# Altium PCB Tfinal3.PcbDoc (part 1 of 2)
Units mm, origin at the board's own origin, x right, y up, seen from the top; angles counter-clockwise.
Board outline 89.38 x 70.23 mm, 2 copper layers (Top Layer, Bottom Layer), stack 1.671 mm thick; 167 components, 142 nets, 545 pads, 132 vias.
Unrouted connection lines stored in the file: 102.
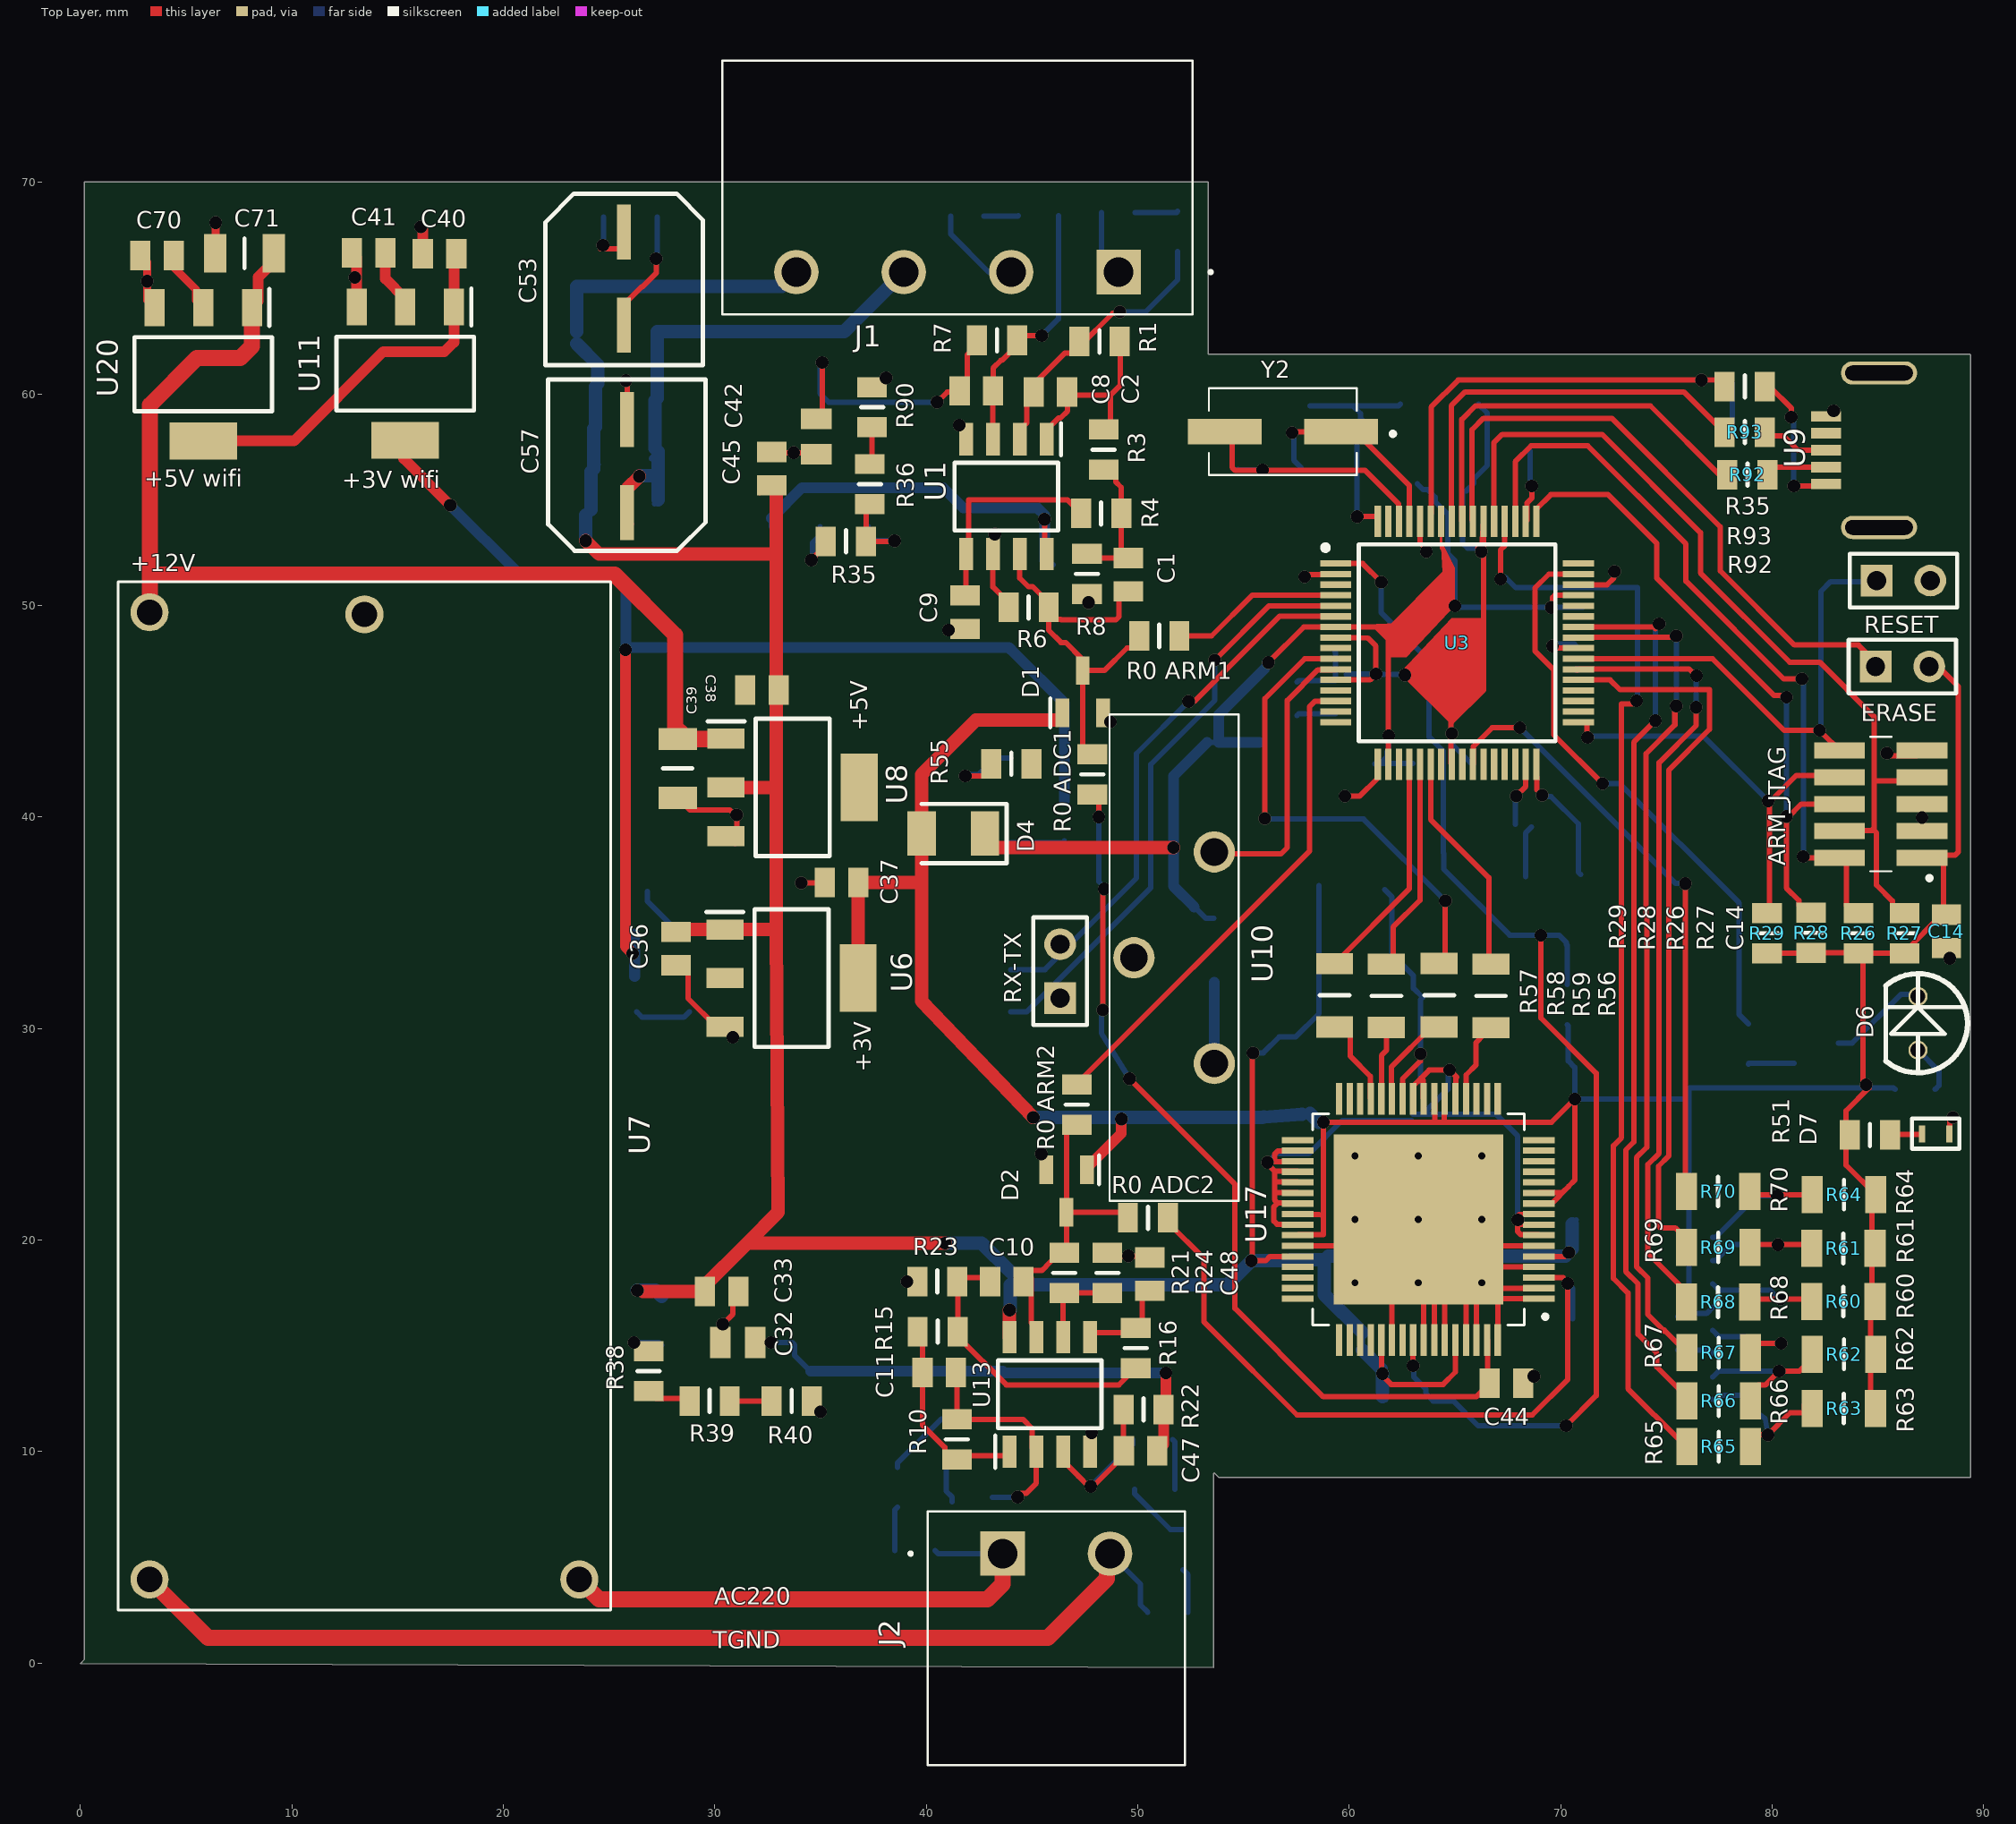
[diagram p0: Top Layer view]
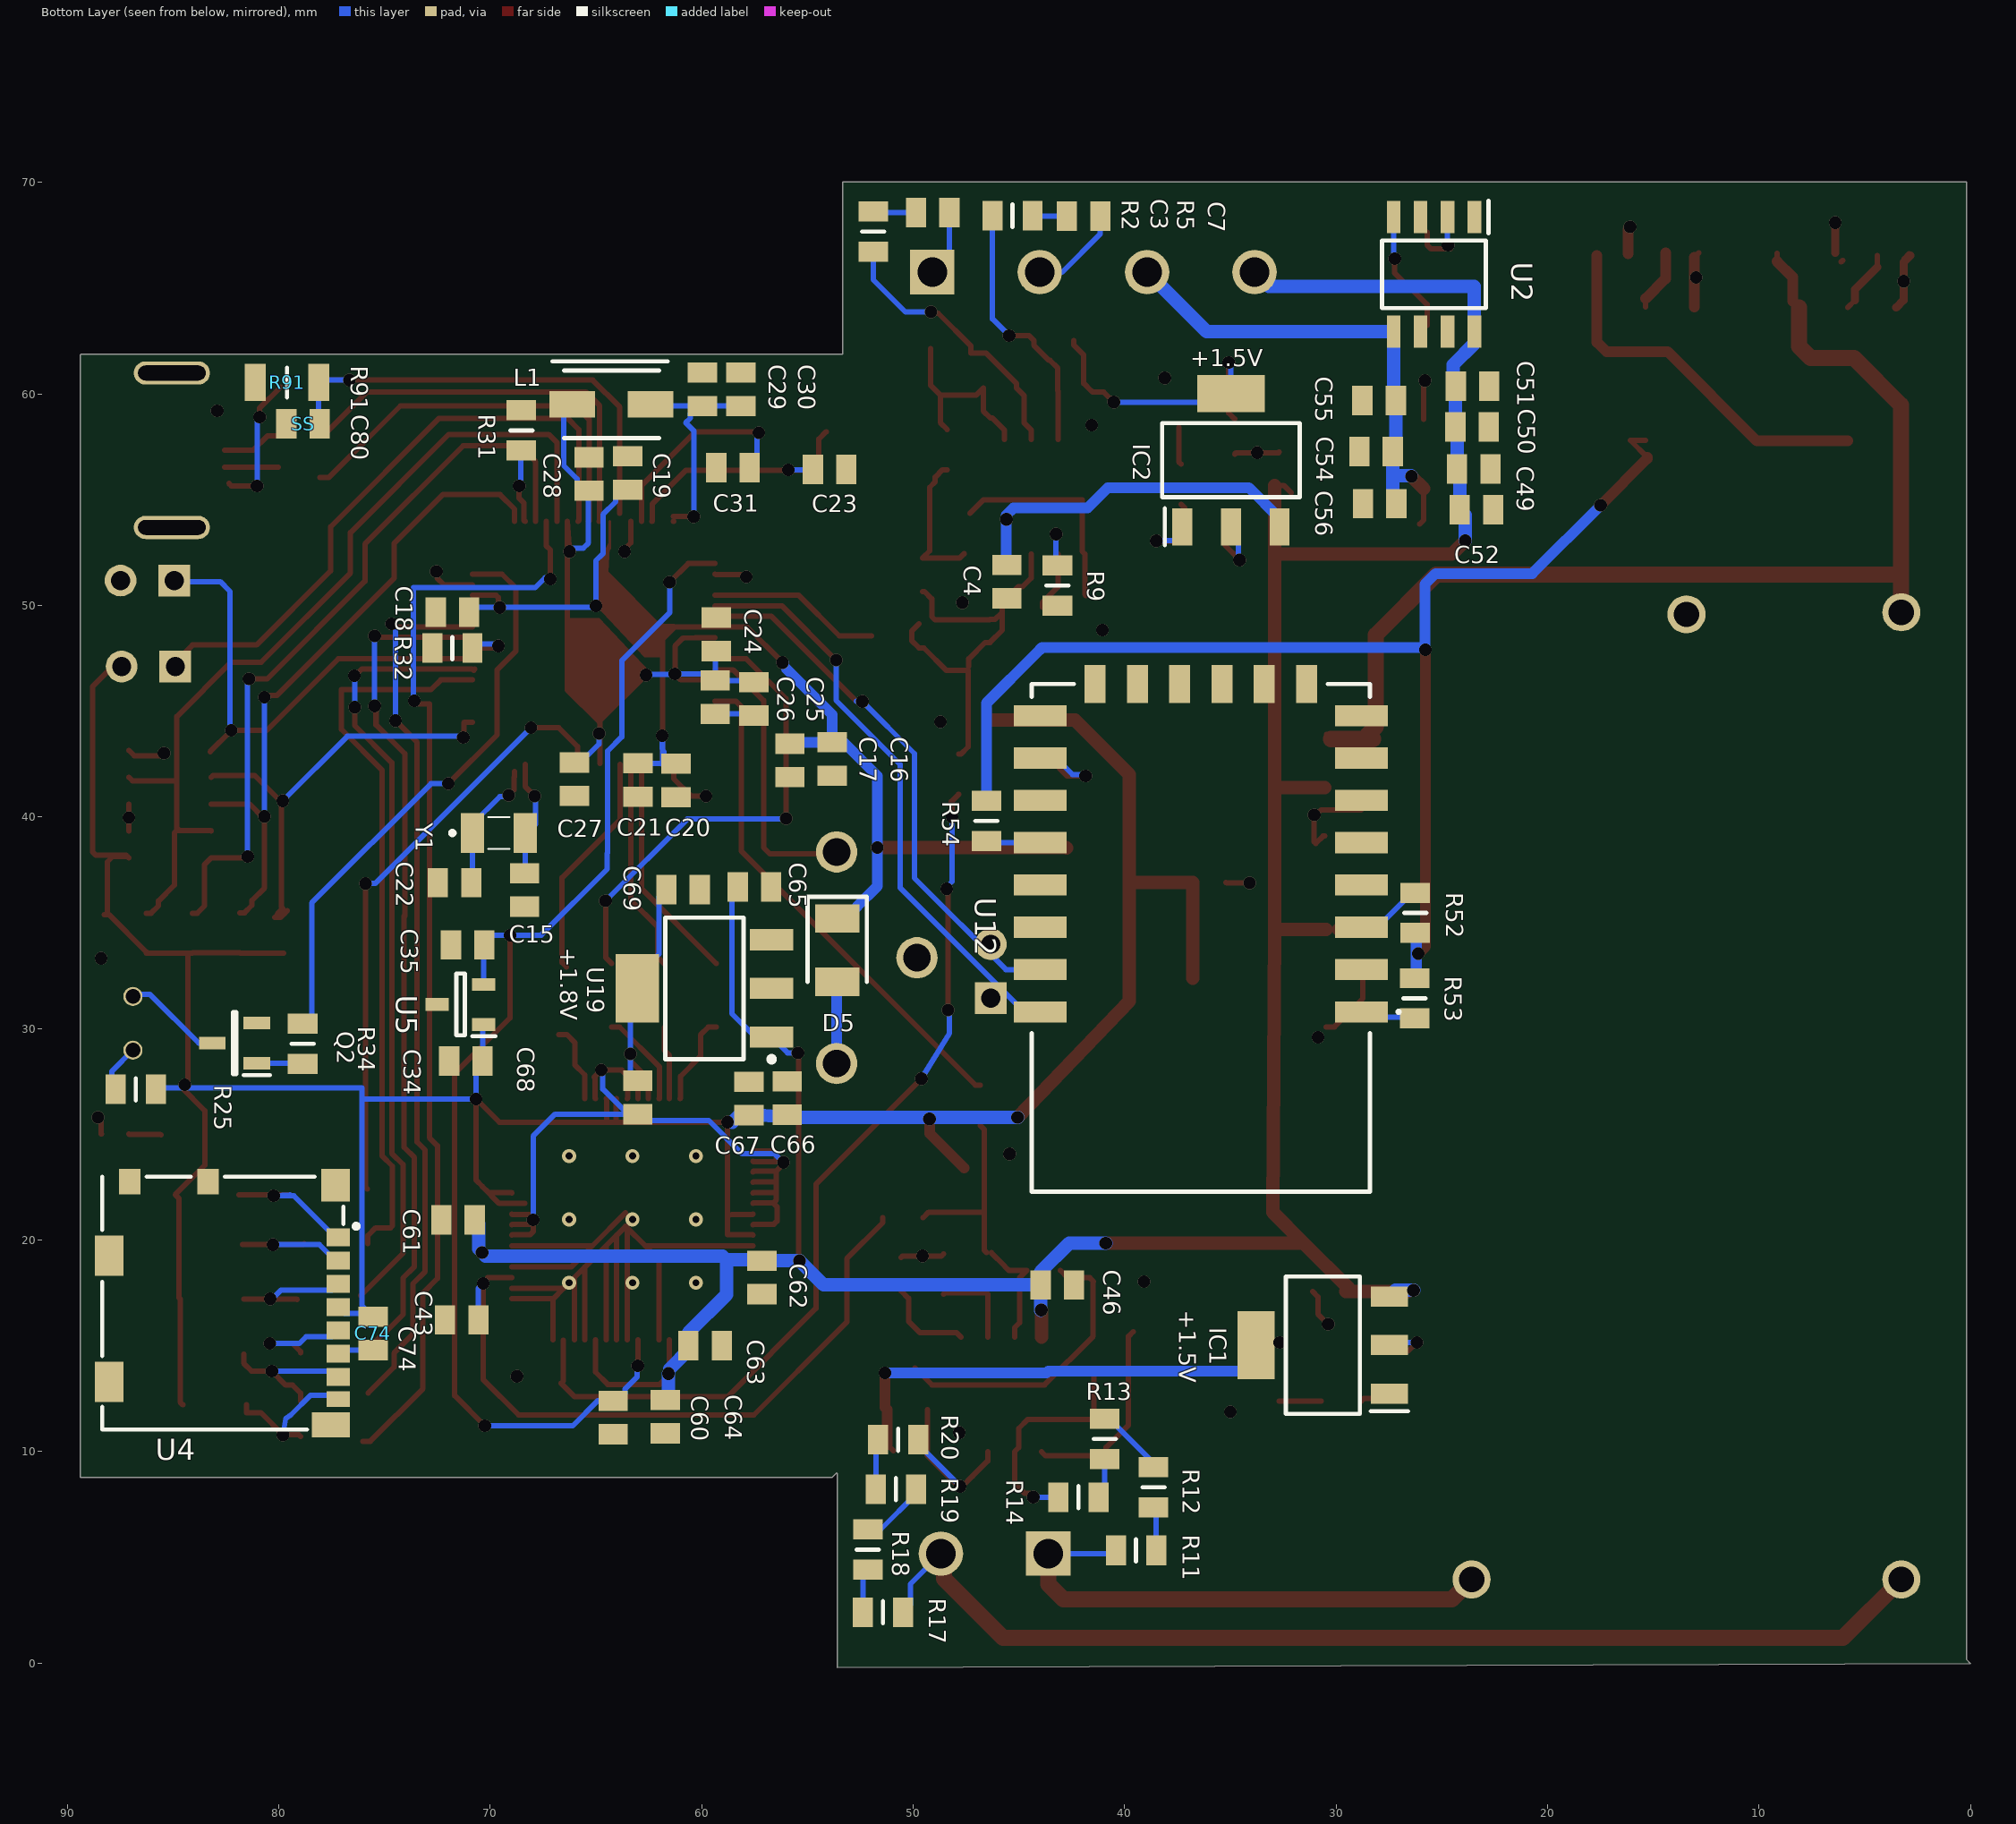
[diagram p1: Bottom Layer view, seen from below]
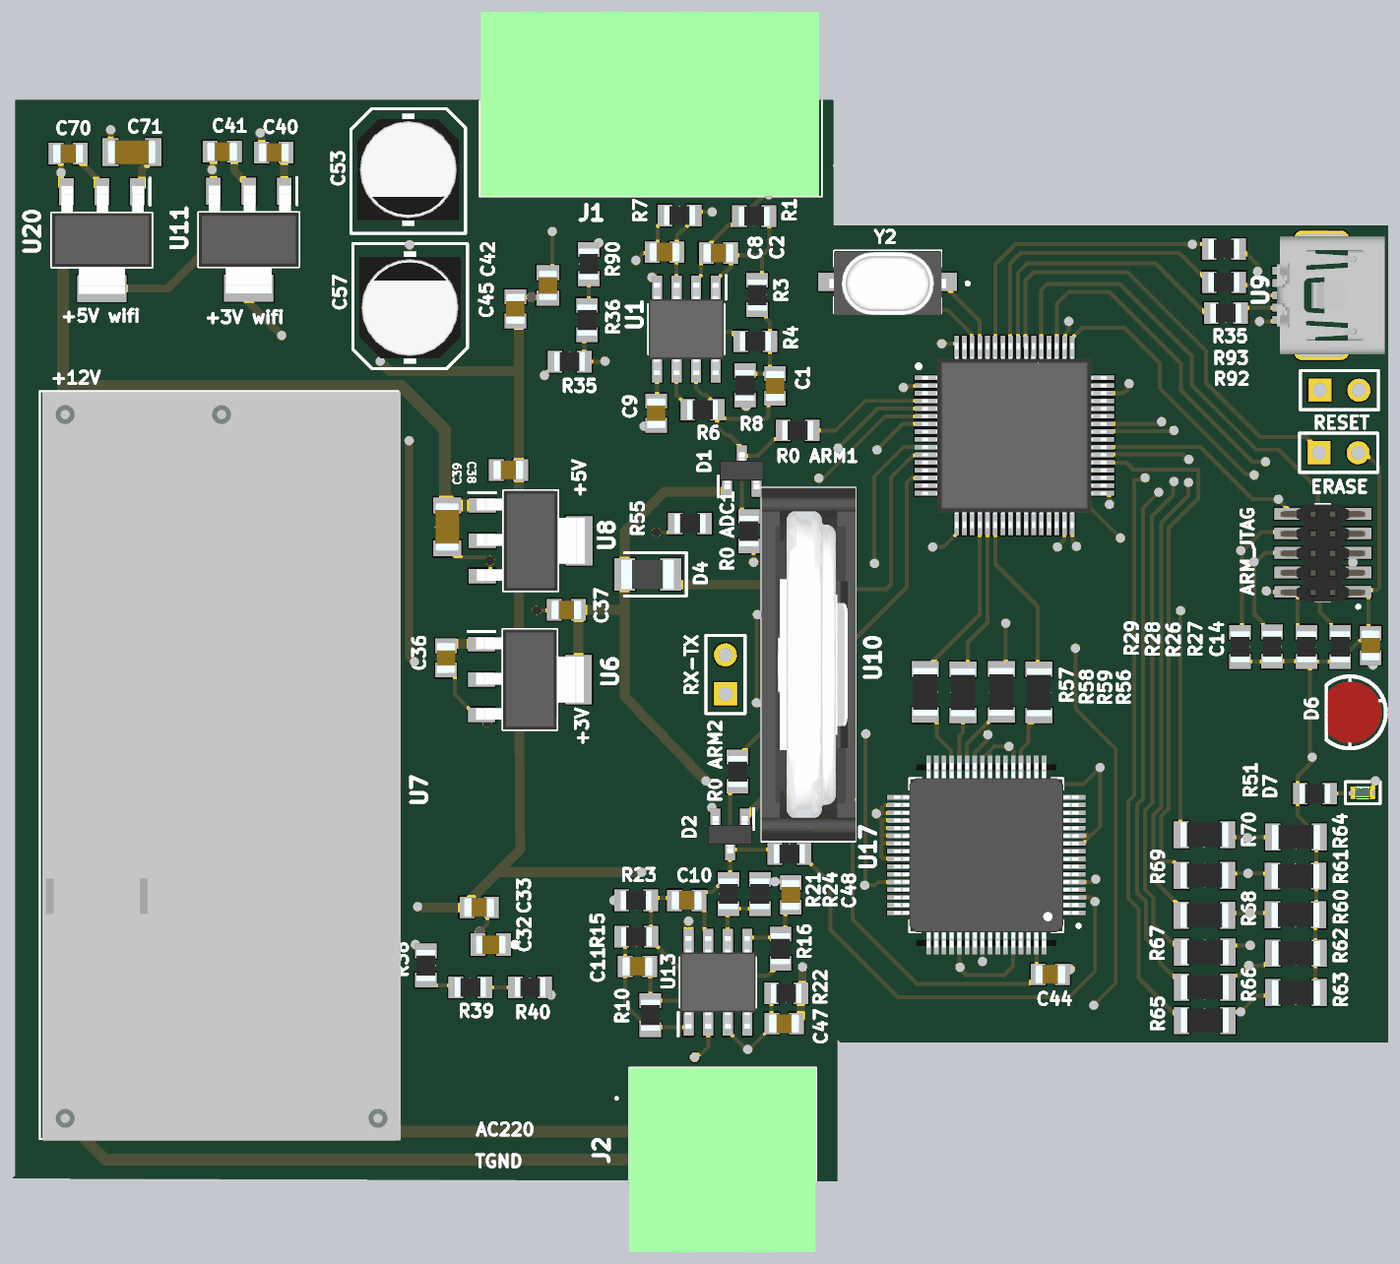
[diagram p3: 3D render of the assembled board from above, using the file's embedded part models]
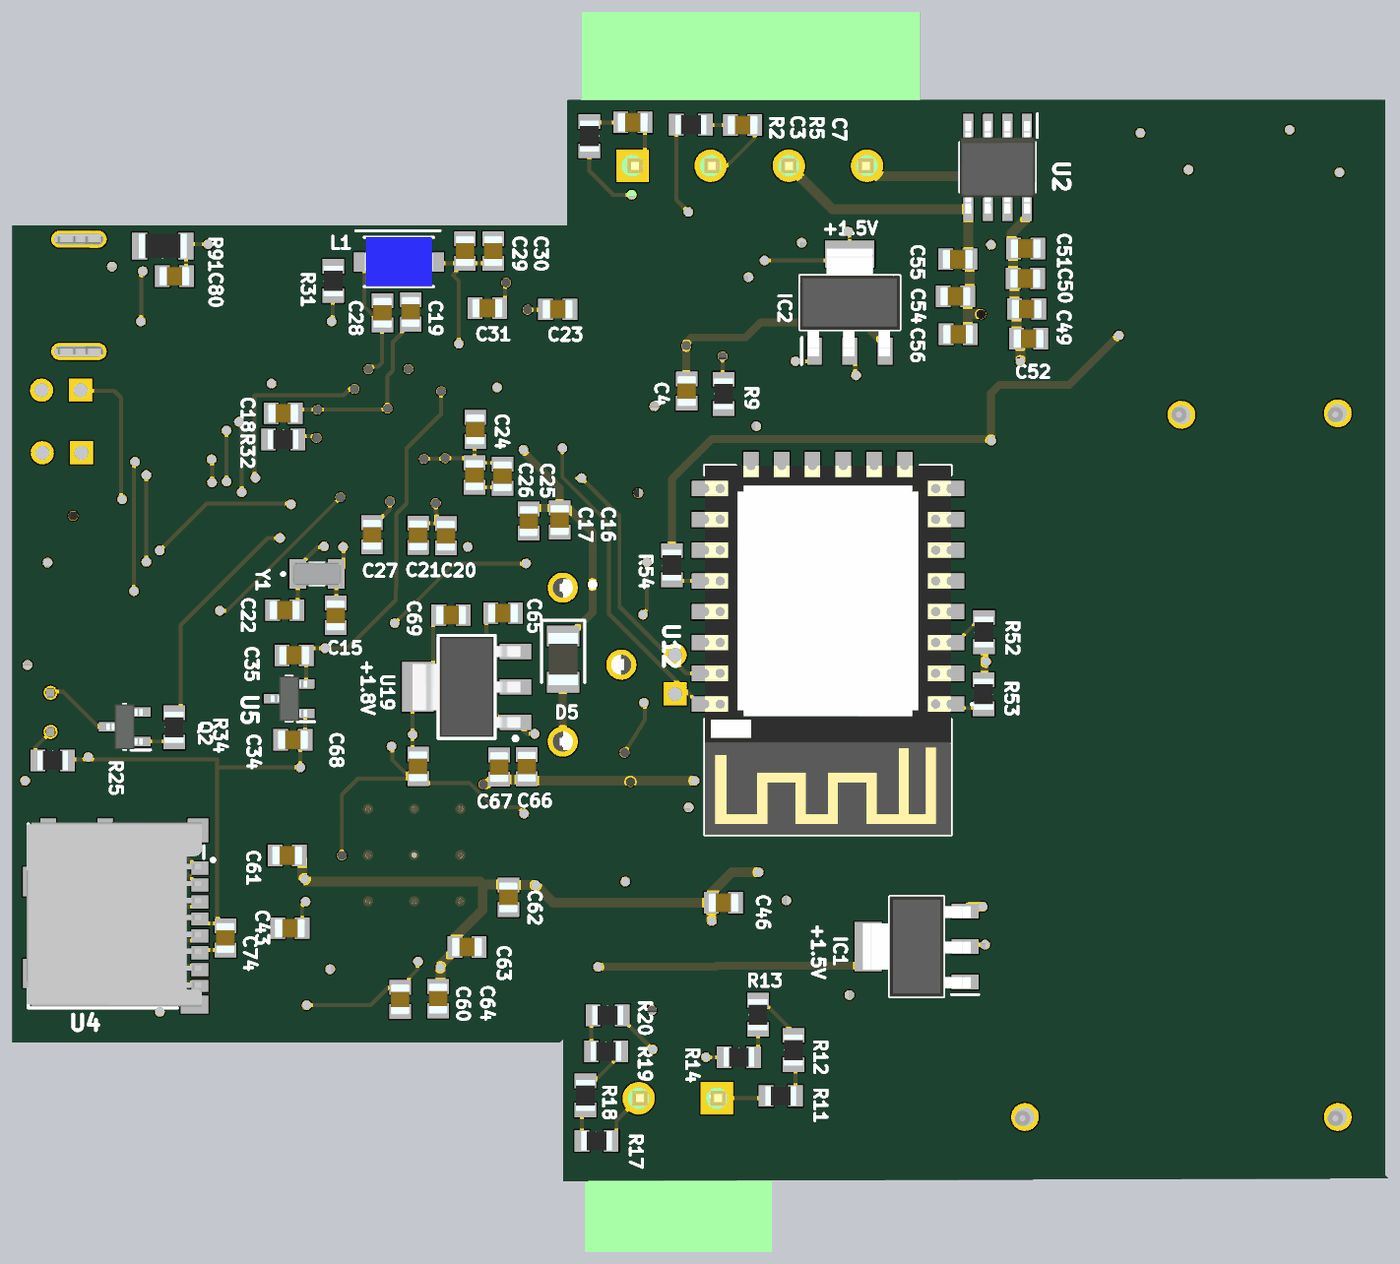
[diagram p4: 3D render of the assembled board from below, using the file's embedded part models]

## Layer stack, top to bottom
Top Solder: solder mask 0.0102, Solder Resist, Dk 3.5
Top Layer: signal copper 0.0356
Dielectric 1: dielectric 1.6, FR-4, Dk 4.8
Bottom Layer: signal copper 0.0356
Bottom Solder: solder mask 0.0102, Solder Resist, Dk 3.5

## Board outline
0,-0.025 0.203,0.178 0.203,70.028 53.315,70.028 53.34,70.002 53.34,61.874 89.357,61.874 89.383,61.849 89.383,8.788 53.823,8.788 53.619,8.992 53.594,8.966 53.594,-0.203

## Design rules (kind name [scope] priority, off if disabled: settings)
Clearance eloy [InComponent('U3')] p1: gap=0.127 ignorepadtopadclearanceinfootprint=FALSE
PlaneConnect [All] p1: planeconnectstyle=Direct reliefexpansion=0.508 reliefentries=4 reliefconductorwidth=0.254 reliefairgap=0.254
PolygonConnect [All] p1: connectstyle=Direct reliefconductorwidth=0.254 reliefentries=4 polygonreliefangle="90 Angle" airgapwidth=0.254
RoutingVias [All] p1: holewidth=0.15 width=0.75 viastyle="Through Hole" minholewidth=0.15 minwidth=0.55 maxholewidth=1.27 maxwidth=1.473
SolderMaskExpansion [All] p1: expansion=0.102 soldermaskfromhole=TRUE
UnRoutedNet [All] p1: checkbadconnections=TRUE
Width [All] p1: maxlimit=1 minlimit=0.127 preferedwidth=0.254
28 further rules are at their usual default settings.

## Classes and differential pairs
component class "adc ext": C44 C61 C62 C63 C64 C65 C66 C67 C68 C69 R56 R57 R58 R59 U17 U19
component class adc_chanels.b: C1 C2 C3 C4 C7 C8 C9 C10 C11 C46 C47 C48 R2 R3 R4 R5 R6 R7 R8 R9 R10 R11 R12 R13 R14 R15 R16 R17 R18 R19 R20 R21 R22 R23 R24 RX-TX U1 U13
component class supply: C36 C37 C40 C41 C49 C50 C51 C52 C54 C55 C56 U2 U6 U7 U11
component class arm: * ARM_JTAG C14 C15 C16 C17 C18 C19 C20 C21 C22 C23 C24 C25 C26 C27 C28 C29 C30 C31 C34 C35 ERASE L1 R25 R26 R27 R28 R29 R31 R32 R52 R54 RESET SS U3 U9 U12 Y1 Y2

## Components (designator, comment, footprint, x,y, rotation, side; value= is the part's Value field where it differs from the comment)
ARM_JTAG "20021121-00010C4LF" "conector jtag ok" 85.135,40.615 r90 top locked
C1 "CAP_GRM2195C1H103FA01D_MURATA" "CAP smd 0805 ok" 46.914,51.331 r270 top locked
C2 "CAP_GRM2195C1H103FA01D_MURATA" "CAP smd 0805 ok" 45.997,57.455 r0 top locked
C3 "CAP_CL21A106KOCL3RC" "CAP smd 0805 ok" 49.202,71.222 r0 bottom locked
C4 "CAP_CC0805KRX7R8BB104_YAGEO" "CAP smd 0805 ok" 48.209,51.001 r270 bottom
C7 "CAP_CL21A106KOCL3RC" "CAP smd 0805 ok" 42.065,71.044 r0 bottom locked
C8 "CAP_GRM2195C1H103FA01D_MURATA" "CAP smd 0805 ok" 42.243,62.789 r180 top locked
C9 "CAP_GRM2195C1H103FA01D_MURATA" "CAP smd 0805 ok" 39.192,49.558 r270 top locked
C10 "CAP_GRM2195C1H103FA01D_MURATA" "CAP smd 0805 ok" 43.939,15.392 r0 top locked
C11 "CAP_GRM2195C1H103FA01D_MURATA" "CAP smd 0805 ok" 40.485,16.388 r180 top locked
C14 "CAP_CC0805KRX7R8BB104_YAGEO" "CAP smd 0805 ok" 85.598,34.47 r270 top locked
C15 "CAP_C0805X150J5GACTU_KEMET" "CAP smd 0805 ok" 71.018,36.426 r270 bottom locked
C16 "CAP_CL21A106KOCL3RC" "CAP smd 0805 ok" 56.464,42.619 r270 bottom locked
C17 "CAP_CL21A106KOCL3RC" "CAP smd 0805 ok" 58.471,42.548 r270 bottom locked
C18 "CAP_CC0805KRX7R8BB104_YAGEO" "CAP smd 0805 ok" 71.91,52.324 r0 bottom locked
C19 "CAP_CC0805KRX7R8BB104_YAGEO" "CAP smd 0805 ok" 60.858,56.391 r90 bottom
C20 "CAP_CC0805KRX7R8BB104_YAGEO" "CAP smd 0805 ok" 63.856,41.603 r270 bottom locked
C21 "CAP_CC0805KRX7R8BB104_YAGEO" "CAP smd 0805 ok" 65.659,41.628 r270 bottom locked
C22 "CAP_C0805X150J5GACTU_KEMET" "CAP smd 0805 ok" 71.814,39.537 r0 bottom locked
C23 "CAP_C0805X150J5GACTU_KEMET" "CAP smd 0805 ok" 53.825,53.797 r180 bottom
C24 "CAP_CL21A106KOCL3RC" "CAP smd 0805 ok" 56.667,48.765 r90 bottom locked
C25 "CAP_CC0805KRX7R8BB104_YAGEO" "CAP smd 0805 ok" 60.173,45.463 r270 bottom locked
C26 "CAP_CC0805KRX7R8BB104_YAGEO" "CAP smd 0805 ok" 62.001,45.54 r270 bottom locked
C27 "CAP_CC0805KRX7R8BB104_YAGEO" "CAP smd 0805 ok" 68.656,41.659 r270 bottom locked
C28 "CAP_CC0805KRX7R8BB104_YAGEO" "CAP smd 0805 ok" 62.687,56.34 r90 bottom
C29 "CAP_CC0805KRX7R8BB104_YAGEO" "CAP smd 0805 ok" 57.328,60.348 r90 bottom locked
C30 "CAP_CC0805KRX7R8BB104_YAGEO" "CAP smd 0805 ok" 55.499,60.348 r90 bottom locked
C31 "CAP_C0805X150J5GACTU_KEMET" "CAP smd 0805 ok" 58.646,59.157 r0 bottom
C32 "Comment" "Cap 100uf" 31.115,15.189 r180 top locked
C33 "Comment" "CAP smd 0805 ok" 30.457,14.935 r0 top locked
C34 "CAP_CC0805KKX7R7BB105_YAGEO" "CAP smd 0805 ok" 71.275,31.115 r0 bottom
C35 "CAP_CC0805KKX7R7BB105_YAGEO" "CAP smd 0805 ok" 71.194,36.601 r0 bottom
C36 "CAP_CL21A106KOCL3RC" "CAP smd 0805 ok" 25.527,33.658 r270 top locked
C37 "CAP_CL21A106KOCL3RC" "CAP smd 0805 ok" 35.867,39.548 r180 top locked
C38 "CAP_CL21A106KOCL3RC" "CAP smd 0805 ok" 32.103,48.641 r180 top
C39 "CAP_CL31A106MBHNNNE" "cap smd 1206 ok" 33.172,42.095 r270 top locked
C40 "CAP_CL21A106KOCL3RC" "CAP smd 0805 ok" 16.863,69.266 r180 top locked
C41 "CAP_CL21A106KOCL3RC" "CAP smd 0805 ok" 13.51,69.317 r180 top locked
C42 "Comment" "Cap 100uf" 34.773,58.014 r270 top locked
C43 "CAP_C0805C222K5RACTU" "CAP smd 0805 OK" 71.473,18.872 r0 bottom locked (schematic designator C44)
C44 "CAP_C0805C222K5RACTU" "CAP smd 0805 OK" 67.561,10.592 r0 top locked (schematic designator C43)
C45 "Comment" "CAP smd 0805 ok" 35.331,56.594 r90 top locked
C46 "CAP_CC0805KRX7R8BB104_YAGEO" "CAP smd 0805 ok" 43.056,15.24 r180 bottom locked
C47 "CAP_GRM2195C1H103FA01D_MURATA" "CAP smd 0805 ok" 50.01,12.68 r180 top locked
C48 "CAP_GRM2195C1H103FA01D_MURATA" "CAP smd 0805 ok" 53.213,18.519 r90 top locked
C49 "CAP_CC0805KRX7R8BB104_YAGEO" "CAP smd 0805 ok" 23.365,53.817 r180 bottom locked
C50 "CAP_CC0805KRX7R8BB104_YAGEO" "CAP smd 0805 ok" 23.447,55.798 r180 bottom locked
C51 "CAP_CC0805KRX7R8BB104_YAGEO" "CAP smd 0805 ok" 23.421,57.734 r180 bottom locked
C52 "CAP_CC0805KRX7R8BB104_YAGEO" "CAP smd 0805 ok" 23.238,51.886 r180 bottom locked
C53 "Comment" "cap smd 6.6x7.7" 25.705,65.456 r270 top locked
C54 "CAP_CC0805KRX7R8BB104_YAGEO" "CAP smd 0805 ok" 28.242,59.919 r0 bottom locked
C55 "CAP_CC0805KRX7R8BB104_YAGEO" "CAP smd 0805 ok" 28.095,62.332 r0 bottom locked
C56 "CAP_CC0805KRX7R8BB104_YAGEO" "CAP smd 0805 ok" 28.07,57.455 r0 bottom locked
C57 "Comment" "cap smd 6.6x7.7" 25.857,56.601 r90 top locked
C60 "CAP_CC0805KKX7R7BB105_YAGEO" "CAP smd 0805 ok" 66.827,11.483 r270 bottom
C61 "CAP_CL21A106KOCL3RC" "CAP smd 0805 OK" 71.651,23.597 r0 bottom locked
C62 "CAP_CL21A106KOCL3RC" "CAP smd 0805 OK" 59.792,18.108 r270 bottom locked
C63 "CAP_CL21A106KOCL3RC" "CAP smd 0805 OK" 59.713,12.37 r180 bottom locked
C64 "CAP_CL21A106KOCL3RC" "CAP smd 0805 OK" 64.364,11.529 r270 bottom
C65 "CAP_CL21A106KOCL3RC" "CAP smd 0805 OK" 57.376,34.061 r180 bottom
C66 "CAP_CL21A106KOCL3RC" "CAP smd 0805 OK" 53.315,26.845 r90 bottom
C67 "CAP_CL21A106KOCL3RC" "CAP smd 0805 OK" 55.118,26.825 r90 bottom
C68 "CAP_CL21A106KOCL3RC" "CAP smd 0805 OK" 65.663,26.617 r270 bottom
C69 "CAP_CL21A106KOCL3RC" "CAP smd 0805 OK" 60.754,33.934 r180 bottom
C70 "CAP_CL21A106KOCL3RC" "CAP smd 0805 ok" 3.503,69.19 r180 top locked (schematic designator C38)
C71 "CAP_CL31A106MBHNNNE" "cap smd 1206 ok" 7.562,61.722 r180 top locked (schematic designator C39)
C74 "Comment" "CAP smd 0805 ok" 78.181,15.466 r270 bottom locked
D1 "BAS40-04-TP" "diode shockit ok" 47.422,46.076 r90 top locked (schematic designator D2)
D2 "BAS40-04-TP" "diode shockit ok" 46.609,22.174 r270 top locked
D4 "Comment" "diodo alimentacion" 41.275,39.218 r180 top locked
D5 "Comment" "diodo alimentacion" 53.594,33.706 r270 bottom
D6 "Comment" "Diode led" 86.893,30.251 r90 top locked
D7 "Comment" "Diode smd 0603 green" 87.732,25.019 r0 top locked